# Altium PCB SI944D.PcbDoc (part 2 of 5)
Units mm, origin at the board's own origin, x right, y up, seen from the top; angles counter-clockwise.
Board outline 281.94 x 89 mm, 4 copper layers (Top, MidLayer1, MidLayer2, Bottom), stack 1.65 mm thick; 571 components, 351 nets, 1529 pads, 905 vias.
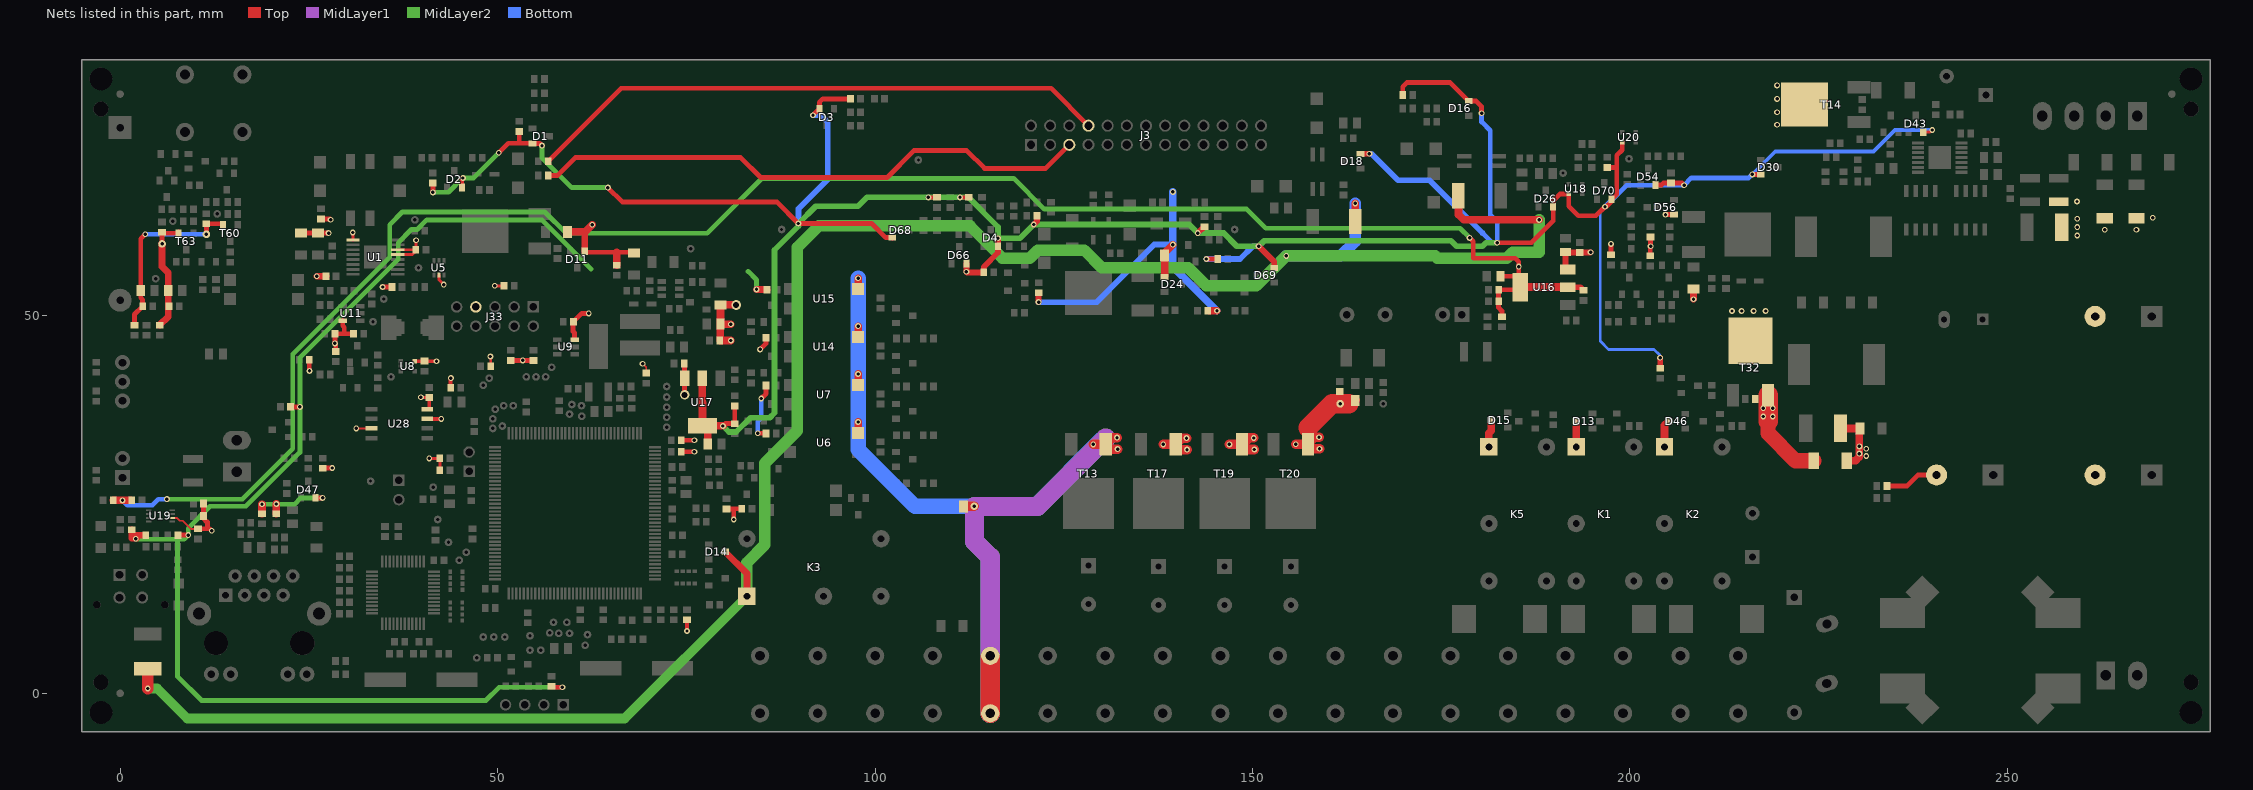
[diagram p4: the nets of this part, all layers, seen from the top]

## Components (designator, comment, footprint, x,y, rotation, side; value= is the part's Value field where it differs from the comment) (continued)
R207 "RES_0603_1%_100PPM_68K" 0603_ReflowSoldering_RES 204.851,51.435 r180 top
R208 "RES_0603_1%_100PPM_68K" 0603_ReflowSoldering_RES 197.802,51.435 r0 top
RR1 "RES_4XR0603_IND_5%_22R*" ARV241 74.93,15.367 r0 top
RR2 "RES_4XR0603_IND_5%_22R*" ARV241 44.539,14.916 r90 top
RR3 "RES_4XR0603_IND_5%_22R*" ARV241 44.526,10.846 r90 top
SI1 "SI944D" CIRCUIT_IMPRIME_SI_STD 63.246,-3.81 r0 top
T1 "NJD1718T4G" DPAK_Specifique_1 48.363,61.196 r0 top
T2 "BC847C" SOT23_3L_ReflowSoldering 147.828,54.102 r0 top
T3 "BC847C" SOT23_3L_ReflowSoldering 103.886,30.988 r180 top
T4 "NJD1718T4G" DPAK_Specifique_1 128.27,53.015 r0 top
T5 "BC847C" SOT23_3L_ReflowSoldering 143.764,54.102 r0 top
T6 "BC847C" SOT23_3L_ReflowSoldering 118.713,56.674 r180 top
T7 "BC847C" SOT23_3L_ReflowSoldering 103.886,37.338 r180 top
T8 "BC847C" SOT23_3L_ReflowSoldering 103.886,43.688 r180 top
T9 "BC847C" SOT23_3L_ReflowSoldering 103.886,50.038 r180 top
T10 "BC847C" SOT23_3L_ReflowSoldering 118.713,53.34 r0 top
T11 "BC847C" SOT23_3L_ReflowSoldering 31.432,44.926 r270 top
T12 "BC847C" SOT23_3L_ReflowSoldering 86.233,30.861 r270 top
T13 "T405-600B" DPAK 128.27,25.146 r90 top (schematic designator D21)
T14 "NTD2955G" DPAK_Specifique_1 223.134,77.978 r0 top
T15 "BC847C" SOT23_3L_ReflowSoldering 86.233,37.211 r270 top
T16 "BC847C" SOT23_3L_ReflowSoldering 86.233,43.561 r270 top
T17 "T405-600B" DPAK 137.541,25.146 r90 top (schematic designator D22)
T18 "BC847C" SOT23_3L_ReflowSoldering 86.233,50.292 r270 top
T19 "T405-600B" DPAK 146.304,25.146 r90 top (schematic designator D23)
T20 "T405-600B" DPAK 155.067,25.146 r90 top (schematic designator D25)
T23 "BC847C" SOT23_3L_ReflowSoldering 186.364,36.068 r0 top
T25 "BC847C" SOT23_3L_ReflowSoldering 30.48,41.593 r270 top
T26 "BC847C" SOT23_3L_ReflowSoldering 21.273,34.925 r0 top
T27 "NTMS4801N" SOIC_08_E1,27_L150_ReflowSoldering 245.11,63.984 r180 top
T28 "BC847C" SOT23_3L_ReflowSoldering 79.057,15.24 r180 top
T29 "NTMS4801N" SOIC_08_E1,27_L150_ReflowSoldering 238.506,63.984 r180 top
T32 "NTD2955G" DPAK_Specifique_1 215.957,46.697 r270 top
T33 "BC847C" SOT23_3L_ReflowSoldering 207.899,40.767 r180 top
T34 "BC847C" SOT23_3L_ReflowSoldering 210.82,36.036 r0 top
T35 "NJD1718T4G" DPAK_Specifique_1 215.607,60.776 r180 top
T37 "MMBT5551LT1G" SOT23_3L_ReflowSoldering 200.152,57.785 r270 top
T44 "BC847C" SOT23_3L_ReflowSoldering 197.136,36.068 r0 top
T50 "MMBT5551LT1G" SOT23_3L_ReflowSoldering 205.232,57.785 r270 top
T58 "MMBT5551LT1G" SOT23_3L_ReflowSoldering 199.898,53.975 r270 top
T59 "MMBT5551LT1G" SOT23_3L_ReflowSoldering 205.105,53.975 r270 top
T60 "BC857C" SOT23_3L_ReflowSoldering 14.605,60.96 r90 top
T61 "BC847C" SOT23_3L_ReflowSoldering 14.129,67.786 r90 top
T62 "BC857C" SOT23_3L_ReflowSoldering 6.191,66.834 r90 top
T63 "BC847C" SOT23_3L_ReflowSoldering 8.731,59.849 r90 top
T64 "BC847C" SOT23_3L_ReflowSoldering 83.026,27.464 r90 top
T65 "BC847C" SOT23_3L_ReflowSoldering 52.916,3.851 r180 top
T66 "BC847C" SOT23_3L_ReflowSoldering 234.569,75.438 r270 top
U1 "DRV8801PWP" HTSSOP_016_E0,65_L4,4MM_PWP 33.814,57.785 r90 top
U2 "LMR12010YMK" SOT23_6L 72.898,53.594 r0 top
U3 "OPTO_FOD817BS" OPTO_FOD817BS_ReflowSoldering 90.329,25.559 r90 top
U4 "DCDC_+12V_1W_R12P12S" DCDC_SIP_1W_19.5x9.8_h12.5_R12P12S 177.736,50.165 r180 top
U5 "74LVC1G57DCKR" SC70_6 42.227,56.356 r270 top
U6 "OPTO_FOD817BS" OPTO_FOD817BS_ReflowSoldering 93.254,33.212 r270 top
U7 "OPTO_FOD817BS" OPTO_FOD817BS_ReflowSoldering 93.254,39.562 r270 top
U8 "74HC1G125GW" SOT353 38.1,43.339 r180 top
U9 "25AA02E48T-I/OT" SOT23_6L 59.055,45.879 r180 top
U10 "MCF52259CAG80" QFP_144_E0,50_20X20MM 60.232,23.843 r270 top locked
U11 "MCP6L91T-E/OT" SOT23_5L 30.639,50.324 r0 top
U12 "LM3150" eTSSOP_014_E0,65_L4,4MM 241.046,70.969 r90 top
U13 "DP83640TVV" QFP_048_E0,50_7X7MM 37.465,13.335 r270 top
U14 "OPTO_FOD817BS" OPTO_FOD817BS_ReflowSoldering 93.254,45.912 r270 top
U15 "OPTO_FOD817BS" OPTO_FOD817BS_ReflowSoldering 93.254,52.262 r270 top
U16 "LD1117STR-E" SOT223 188.62,53.785 r0 top
U17 "LD1117STR-E" SOT223 77.128,38.569 r90 top
U18 "74LVC1G17GW" SOT353 192.786,66.802 r0 top
U19 "PCA9306DCUT" VSSOP_008_E0,5_L3,1MM 5.334,23.495 r90 top
U20 "74LVC1G17GW" SOT353 199.866,73.66 r0 top
U22 "DCDC_+12V_-12V_1W_R12P12D" DCDC_SIP_1W_19.5x9.8_h12.5 0.318,28.575 r90 top
U25 "OPTO_FOD817BS" OPTO_FOD817BS_ReflowSoldering 19.05,53.499 r270 top
U28 "SST25VF016B-50-4I-S2AF" SOIC_08_E1.27_L200_REFLOWSOLDERING 36.989,35.719 r270 top
VR1 "VDR_V300LA10P" VDR_SERIE_LA_D10_H16_E7.5MM 226.092,5.239 r108 top

## Footprints (in the part's own frame and the unit in brackets; to place one, negate y for a bottom-side part, rotate by r counter-clockwise, add the part's x,y. Pads: shape width x height; smd on the part's side, far side on the other; paste and mask are expansions set on the pad)
0603_ReflowSoldering_CAP [mil]
  rect 35x40 smd paste-5: 1(-26.4,0) 2(26.4,0)
  silkscreen extent -55,-30 55,30, body extent -31,-16 32,16, height 35
0603_ReflowSoldering_RES [mil]
  rect 35x40 smd paste-5: 1(-26.4,0) 2(26.4,0)
  silkscreen extent -55,-30 55,30, body extent -31,-16 31,16, height 22
0805_ReflowSoldering_CAP [mil]
  rect 43x57 smd paste-3: 1(-36,0) 2(36,0)
  silkscreen extent -67,-39 67,39, body extent -39,-25 39,25, height 39
0805_ReflowSoldering_RES [mil]
  rect 43x57 smd paste-3: 1(-36,0) 2(36,0)
  silkscreen extent -67,-39 67,39, body extent -39,-24 39,24, height 28
1206_ReflowSoldering_CAP [mil]
  rect 47x63 smd paste-3: 1(-57.09,0) 2(57.09,0)
  silkscreen extent -92,-42 92,42, body extent -63,-31 63,32, height 39
1206_ReflowSoldering_FERRITE [mil]
  rect 47x63 smd paste-3: 1(-57.09,0) 2(57.09,0)
  silkscreen extent -93,-43 93,43, body extent -63,-31 63,31, height 39
1206_ReflowSoldering_RES [mil]
  rect 47x63 smd paste-3: 1(-57.09,0) 2(57.09,0)
  silkscreen extent -92,-43 92,43, body extent -63,-31 63,32, height 33
1210_ReflowSoldering_CAP [mil]
  rect 43x104 smd paste-3: 1(-61.02,0) 2(61.02,0)
  silkscreen extent -95,-65 95,65, body extent -63,-49 63,49, height 51
1812_ReflowSoldering_SELF [mil]
  rect 70x143 smd paste-3: 1(-90.55,0) 2(90.55,0)
  silkscreen extent -140,-85 140,85, body extent -89,-63 89,63, height 91
2512_ReflowSoldering_RES [mil]
  rect 65x132 smd paste-3: 1(-111.1,0) 2(111.1,0)
  silkscreen extent -160,-80 160,80, body extent -126,-63 126,63, height 28
ARV241 [mm]
  rect 0.559x0.508 smd paste-0.051 mask+0.127: 1(-1.2,-0.8) 2(-1.2,0.8) 3(-0.4,-0.8) 4(-0.4,0.8) 5(0.4,-0.8) 6(0.4,0.8) 7(1.2,-0.8) 8(1.2,0.8)
  silkscreen extent -1.9,-0.38 1.7,0.28, body extent -1.6,-0.8 1.6,0.8, height 0.54
BAR_M_1X02D_L6_IS2.6_E2.54_G [mil]
  rect 60x60 hole 39.37: 1(0,0)
  round 60 hole 39.37: 2(0,-100)
  silkscreen extent -50,-150 50,50, body extent -55,-155 55,55, height 339
BAR_M_1X04D_L6_IS2.6_E2.54_G [mil]
  rect 60x60 hole 39.37: 1(0,0)
  round 60 hole 39.37: 2(0,-100) 3(0,-200) 4(0,-300)
  silkscreen extent -105,-390 50,50, body extent -50,-350 50,50, height 339
BAR_M_2X05D_L6_IS2.6_E2.54_G [mil]
  rect 60x60 hole 39.37: 1(0,0)
  round 60 hole 39.37: 2(100,0) 3(0,-100) 4(100,-100) 5(0,-200) 6(100,-200) 7(0,-300) 8(100,-300) 9(0,-400) 10(100,-400)
  silkscreen extent -85,-450 225,50, body extent -50,-450 150,50, height 339
BRESS_FFKDSA1/V2-7,62_P1.3 [mm]
  round 2.413 hole 1.3: 1(3.5,1.43) 2(3.5,9.05)
  silkscreen extent 0,0 7.62,10, body extent 0,0 7.62,10, height 15.82
BRESS_FFKDSA/V2-7,62_P1.3 [mm]
  round 2.413 hole 1.3: 1(3.5,1.43) 2(3.5,9.05)
  silkscreen extent 0,0 9.42,10, body extent 0,0 9.42,10, height 15.8
CAP_ELE_10X31.5_E5.08MM [mil]
  rect 60x60 hole 31.5: 1(-100,0)
  oval 60x90 hole 31.5: 2(100,0)
  silkscreen extent -197,-197 196,197, body extent -196,-197 197,197, height 1241
CAP_ELE_18X40_E7.5MM [mm]
  rect 2.794x2.794 hole 1.1: 1(-3.75,0)
  round 2.794 hole 1.1: 2(3.75,0)
  silkscreen extent -9.01,-9 8.99,9, body extent -8.97,-9 8.96,9, height 41.01
CAP_S_5X17.5_E15MM [mil]
  rect 80x80 hole 39.37: 1(-300,0)
  round 80 hole 39.37: 2(300,0)
  silkscreen extent -350,-106 350,110, body extent -350,-105 350,110, height 472
CIRCUIT_IMPRIME_SI_STD [mm]
DCDC_SIP_1W_19.5x9.8_h12.5 [mm]
  rect 2x2 hole 1: 1(0,0)
  round 2 hole 1: 2(2.54,0) 5(10.16,0) 6(12.7,0) 7(15.24,0)
  silkscreen extent -1.9,-7.4 17.6,2.4, body extent -1.9,-7.4 17.6,2.4, height 12.5
DCDC_SIP_1W_19.5x9.8_h12.5_R12P12S [mm]
  rect 2x2 hole 1: 1(0,0)
  round 2 hole 1: 2(2.54,0) 5(10.16,0) 7(15.24,0)
  silkscreen extent -1.9,-7.4 17.6,2.4, body extent -1.9,-7.4 17.6,2.4, height 12.5
DO214AA-SMB-NP_ReflowSoldering [mil]
  rect 61x90 smd paste-3: 1(85,0) 2(-85,0)
  silkscreen extent -90,-80 90,80, body extent -104,-71 104,71, height 94
DO214AA-SMB-P_ReflowSoldering [mil]
  rect 61x90 smd paste-3: A(85,0) K(-85,0)
  silkscreen extent -90,-80 90,80, body extent -105,-71 107,71, height 91
DO214AB-SMC-P_ReflowSoldering [mil]
  rect 80x130 smd paste-3: A(124,0) K(-124,0)
  silkscreen extent -140,-125 140,125, body extent -157,-116 156,116, height 91
DO214AC-SMA-P_ReflowSoldering [mil]
  rect 65x65 smd paste-3: A(75,0) K(-75,0)
  silkscreen extent -125,-63 125,63, body extent -102,-51 102,51, height 91
DO219AB-SMF-P_ReflowSoldering [mm]
  rect 1.3x1.4 smd paste-0.076: A(1.45,0) K(-1.45,0)
  silkscreen extent -1.45,-0.95 1.45,0.95, body extent -1.45,-0.95 1.45,0.95, height 0.99
DPAK [mm] "Triacs 4.0 Amp 600 Volt"
  rect 3x1.6 smd paste-0.076: A1(7.85,-2.286) G(7.85,2.286)
  rect 6.7x6.7 smd paste-25.4: A2(0,0)
  silkscreen extent -3.81,-3.81 5.33,3.81, body extent -1.75,-3.37 8.35,3.37, height 2.41
DPAK_Specifique_1 [mm] "2.6 isolation"
  rect 3x1.6 smd paste-0.076: 1(7.2,-2.3) 3(7.2,2.3)
  rect 6.198x5.8 smd paste-25.4: 2(0,0)
  silkscreen extent -3.81,-3.81 5.33,3.81, body extent -2.17,-3.3 7.77,3.24, height 2.34
eTSSOP_014_E0,65_L4,4MM [mm]
  rect 0.406x1.575 smd mask+0.127: 1(-1.95,-2.875) 2(-1.3,-2.875) 3(-0.65,-2.875) 4(0,-2.875) 5(0.65,-2.875) 6(1.3,-2.875) 7(1.95,-2.875) 8(1.95,2.875) 9(1.3,2.875) 10(0.65,2.875) 11(0,2.875) 12(-0.65,2.875) 13(-1.3,2.875) 14(-1.95,2.875)
  rect 3.1x3 smd: EP(0,0)
  silkscreen extent -2.41,-1.65 2.41,1.65, body extent -2.55,-3.2 2.55,3.2, height 1.12
FUS_POLY_11.4X3.8_H19_E5.8 [mm]
  rect 1.905x1.905 hole 0.9: 1(-2.9,0)
  round 1.905 hole 0.9: 2(2.9,0)
  silkscreen extent -6.19,-1.56 6.21,1.46, body extent -5.7,-19.04 5.7,0.9, height 5.17
FUS_POLY_14.4X3_H24.8_E5.08 [mm]
  rect 1.905x1.905 hole 0.9: 1(1.2,1.3)
  round 1.905 hole 0.9: 2(6.4,-1.2)
  silkscreen extent -3.39,-1.51 11.01,1.51, body extent -3.39,-3.76 11.01,18.76, height 11.7
FUSIBLE_UMT250 [mm]
  rect 3.2x3.75 smd: 1(-4.7,0) 2(4.7,0)
  silkscreen extent -6.8,-2.25 6.8,2.25, body extent -5.45,-1.5 5.45,1.5, height 3
HTSSOP_016_E0,65_L4,4MM_PWP [mm]
  rect 0.381x1.778 smd mask+0.152: 1(-2.275,-2.97) 2(-1.625,-2.97) 3(-0.975,-2.97) 4(-0.325,-2.97) 5(0.325,-2.97) 6(0.975,-2.97) 7(1.625,-2.97) 8(2.275,-2.97) 9(2.275,2.97) 10(1.625,2.97) 11(0.975,2.97) 12(0.325,2.97) 13(-0.325,2.97) 14(-0.975,2.97) 15(-1.625,2.97) 16(-2.275,2.97)
  rect 3x3 smd: PAD(0,0)
  silkscreen extent -2.54,-1.78 2.54,1.78, body extent -2.5,-3.2 2.5,3.2, height 1
IDC2P54_26P [mm] "Connector; Header; 13x2 Position"
  rect 1.6x1.6 hole 1.1 mask+0.05: 1(-15.24,-1.27)
  round 1.6 hole 1.1 mask+0.05: 2(-15.24,1.27) 3(-12.7,-1.27) 4(-12.7,1.27) 5(-10.16,-1.27) 6(-10.16,1.27) 7(-7.62,-1.27) 8(-7.62,1.27) 9(-5.08,-1.27) 10(-5.08,1.27) 11(-2.54,-1.27) 12(-2.54,1.27) 13(0,-1.27) 14(0,1.27) 15(2.54,-1.27) 16(2.54,1.27) 17(5.08,-1.27) 18(5.08,1.27) 19(7.62,-1.27) 20(7.62,1.27) 21(10.16,-1.27) 22(10.16,1.27) 23(12.7,-1.27) 24(12.7,1.27) 25(15.24,-1.27) 26(15.24,1.27)
  silkscreen extent -20.32,-5.33 20.32,4.6, body extent -20.34,-4.55 20.34,4.55, height 8.86
LED_0805_KPx_Green [mil]
  rect 43x57 smd paste-3: A(36,0) K(-36,0)
  silkscreen extent -69,-39 67,39, body extent -40,-25 40,25, height 43
LED_0805_KPx_YELLOW [mil]
  rect 43x57 smd paste-3: A(36,0) K(-36,0)
  silkscreen extent -69,-39 67,39, body extent -40,-25 40,25, height 45
MF-RX012-250-0 [mm] "Resettable Fuses - PPTC 0.12A 60V 4ohm Hold .12 Trip .16"
  rect 2x2 hole 0.8 mask+0.064: 1(-2.55,0)
  round 2 hole 0.8 mask+0.064: 2(2.55,0)
  silkscreen extent -3.25,-2.3 3.25,2.3, body extent -3.25,-2.3 3.25,2.3, height 11.2
MICRO-MATE-N-LOK_WURTH+TYCO_2X02_D [mm]
  rect 1.6x1.6 hole 1: 1(1.5,-1.5)
  round 1.6 hole 1: 2(-1.5,-1.5) 3(1.5,1.5) 4(-1.5,1.5)
  round 1 hole 1 unplated: FIX1(-4.5,2.44) FIX2(4.5,2.44)
  silkscreen extent -5,-3.94 5,4.73, body extent -5,-3.94 5,4.73, height 9.3
MIRE_PICK-N-PLACE_D1MM_VE3MM [mm]
  round 1 smd paste-25.4 mask+1: 1(0,0)
NULL [mm]
OPTO_FOD817BS_ReflowSoldering [mil]
  rect 63x63 smd paste-4: 1(-50,-177.17) 2(50,-177.17) 3(50,177.17) 4(-50,177.17)
  silkscreen extent -100,-125 100,125, body extent -100,-181 100,181, height 185
PAD_CL5_E40X40Y17D#1 [mil]
  round 40 hole 17.72: 1(0,0)
PAD_CL5_E40X40Y17D#2 [mil]
  round 40 hole 15.75: 1(0,0)
QFP_048_E0,50_7X7MM [mil]
  rect 63x12 smd paste-2 mask+4: 1(-162.25,108.27)
  rect 63x12 smd paste-2 mask+5: 2(-162.25,88.58) 3(-162.25,68.9) 4(-162.25,49.21) 5(-162.25,29.53) 6(-162.25,9.84) 7(-162.25,-9.84) 8(-162.25,-29.53) 9(-162.25,-49.21) 10(-162.25,-68.9) 11(-162.25,-88.58) 12(-162.25,-108.27) 25(162.25,-108.27) 26(162.25,-88.58) 27(162.25,-68.9) 28(162.25,-49.21) 29(162.25,-29.53) 30(162.25,-9.84) 31(162.25,9.84) 32(162.25,29.53) 33(162.25,49.21) 34(162.25,68.9) 35(162.25,88.58) 36(162.25,108.27)
  rect 12x63 smd paste-2 mask+5: 13(-108.27,-162.25) 14(-88.58,-162.25) 15(-68.9,-162.25) 16(-49.21,-162.25) 17(-29.53,-162.25) 18(-9.84,-162.25) 19(9.84,-162.25) 20(29.53,-162.25) 21(49.21,-162.25) 22(68.9,-162.25) 23(88.58,-162.25) 24(108.27,-162.25) 37(108.27,162.25) 38(88.58,162.25) 39(68.9,162.25) 40(49.21,162.25) 41(29.53,162.25) 42(9.84,162.25) 43(-9.84,162.25) 44(-29.53,162.25) 45(-49.21,162.25) 46(-68.9,162.25) 47(-88.58,162.25) 48(-108.27,162.25)
  silkscreen extent -228,-105 105,115, body extent -177,-177 177,177, height 58
QFP_144_E0,50_20X20MM [mm]
  rect 1.6x0.305 smd paste-0.051 mask+0.127: 1(-10.6,8.75) 2(-10.6,8.25) 3(-10.6,7.75) 4(-10.6,7.25) 5(-10.6,6.75) 6(-10.6,6.25) 7(-10.6,5.75) 8(-10.6,5.25) 9(-10.6,4.75) 10(-10.6,4.25) 11(-10.6,3.75) 12(-10.6,3.25) 13(-10.6,2.75) 14(-10.6,2.25) 15(-10.6,1.75) 16(-10.6,1.25) 17(-10.6,0.75) 18(-10.6,0.25) 19(-10.6,-0.25) 20(-10.6,-0.75) 21(-10.6,-1.25) 22(-10.6,-1.75) 23(-10.6,-2.25) 24(-10.6,-2.75) 25(-10.6,-3.25) 26(-10.6,-3.75) 27(-10.6,-4.25) 28(-10.6,-4.75) 29(-10.6,-5.25) 30(-10.6,-5.75) 31(-10.6,-6.25) 32(-10.6,-6.75) 33(-10.6,-7.25) 34(-10.6,-7.75) 35(-10.6,-8.25) 36(-10.6,-8.75) 73(10.6,-8.75) 74(10.6,-8.25) 75(10.6,-7.75) 76(10.6,-7.25) 77(10.6,-6.75) 78(10.6,-6.25) 79(10.6,-5.75) 80(10.6,-5.25) 81(10.6,-4.75) 82(10.6,-4.25) 83(10.6,-3.75) 84(10.6,-3.25) 85(10.6,-2.75) 86(10.6,-2.25) 87(10.6,-1.75) 88(10.6,-1.25) 89(10.6,-0.75) 90(10.6,-0.25) 91(10.6,0.25) 92(10.6,0.75) 93(10.6,1.25) 94(10.6,1.75) 95(10.6,2.25) 96(10.6,2.75) 97(10.6,3.25) 98(10.6,3.75) 99(10.6,4.25) 100(10.6,4.75) 101(10.6,5.25) 102(10.6,5.75) 103(10.6,6.25) 104(10.6,6.75) 105(10.6,7.25) 106(10.6,7.75) 107(10.6,8.25) 108(10.6,8.75)
  rect 0.305x1.6 smd paste-0.051 mask+0.127: 37(-8.75,-10.6) 38(-8.25,-10.6) 39(-7.75,-10.6) 40(-7.25,-10.6) 41(-6.75,-10.6) 42(-6.25,-10.6) 43(-5.75,-10.6) 44(-5.25,-10.6) 45(-4.75,-10.6) 46(-4.25,-10.6) 47(-3.75,-10.6) 48(-3.25,-10.6) 49(-2.75,-10.6) 50(-2.25,-10.6) 51(-1.75,-10.6) 52(-1.25,-10.6) 53(-0.75,-10.6) 54(-0.25,-10.6) 55(0.25,-10.6) 56(0.75,-10.6) 57(1.25,-10.6) 58(1.75,-10.6) 59(2.25,-10.6) 60(2.75,-10.6) 61(3.25,-10.6) 62(3.75,-10.6) 63(4.25,-10.6) 64(4.75,-10.6) 65(5.25,-10.6) 66(5.75,-10.6) 67(6.25,-10.6) 68(6.75,-10.6) 69(7.25,-10.6) 70(7.75,-10.6) 71(8.25,-10.6) 72(8.75,-10.6) 109(8.75,10.6) 110(8.25,10.6) 111(7.75,10.6) 112(7.25,10.6) 113(6.75,10.6) 114(6.25,10.6) 115(5.75,10.6) 116(5.25,10.6) 117(4.75,10.6) 118(4.25,10.6) 119(3.75,10.6) 120(3.25,10.6) 121(2.75,10.6) 122(2.25,10.6) 123(1.75,10.6) 124(1.25,10.6) 125(0.75,10.6) 126(0.25,10.6) 127(-0.25,10.6) 128(-0.75,10.6) 129(-1.25,10.6) 130(-1.75,10.6) 131(-2.25,10.6) 132(-2.75,10.6) 133(-3.25,10.6) 134(-3.75,10.6) 135(-4.25,10.6) 136(-4.75,10.6) 137(-5.25,10.6) 138(-5.75,10.6) 139(-6.25,10.6) 140(-6.75,10.6) 141(-7.25,10.6) 142(-7.75,10.6) 143(-8.25,10.6) 144(-8.75,10.6)
  silkscreen extent -12.2,-8.89 8.89,8.97, body extent -11,-11 11,11, height 1.6
QUARTZ_2X6MM_CYL_CMS [mm]
  rect 2.5x1 smd paste-0.051: 1(3,-1.27) 2(3,1.27)
  rect 6x2.5 smd paste-0.051: 3(-3,0)
  silkscreen extent -6.35,-1.65 1.19,1.65, body extent -5.59,-1.4 3.91,1.39, height 2.2
QUARTZ_HC49_11.5X5_CMS [mil] "HC49/4H SMX"
  rect 216x77 smd paste-3: 1(-187.01,0) 2(187.01,0)
  silkscreen extent -230,-100 230,100, body extent -264,-96 264,96, height 200
RELAY_FINDER_32.21 [mm]
  round 2.3 hole 0.9: 11(-3.81,0) 12(3.81,-7.62) 14(-3.81,-7.62) A2(3.81,10.16)
  rect 2.3x2.3 hole 0.9: A1(-3.81,10.16)
  silkscreen extent -5.5,-9.2 5.5,11.8, body extent -5.5,-9.2 5.5,11.8, height 10.7
RES_MOS3 [mil]
  rect 120x120 hole 39.37: 1(-450,0)
  round 120 hole 39.37: 2(450,0)
  silkscreen extent -500,-138 500,138, body extent -475,-128 456,128, height 256
RJ45_8_B_D_TR_74990101210 [mm]
  rect 1.8x1.8 hole 0.9: 1(-4.45,6.35)
  round 1.8 hole 0.9: 2(-3.18,8.89) 3(-1.91,6.35) 4(-0.64,8.89) 5(0.63,6.35) 6(1.9,8.89) 7(3.17,6.35) 8(4.44,8.89)
  round 2 hole 1: 9(-6.325,-4.11) 10(-3.785,-4.11) 11(3.785,-4.11) 12(6.325,-4.11)
  round 3.2 hole 1.6: FIX1(7.95,3.9) FIX2(-7.95,3.9)
  round 3.2 hole 3.2 unplated: FIX3(5.715,0) FIX4(-5.715,0)
  silkscreen extent -8.4,-6.73 8.4,10.77, body extent -8.6,-6.73 8.6,10.77, height 17.5
SC70_6 [mil]
  rect 28x16 smd paste-3 mask+5: 1(-37.4,25.59) 2(-37.4,0) 3(-37.4,-25.59) 4(37.4,-25.59) 5(37.4,0) 6(37.4,25.59)
  silkscreen extent -29,-39 10,48, body extent -43,-39 39,39, height 36
SELF_PM3700_17.78X11.43H11.43 [mm]
  rect 3.18x3.18 smd paste-0.051: 1(0,-10.795) 2(10.795,0) 4(-10.795,0)
  rect 3.18x3.18 smd paste-0.051 mask+0.102: 3(0,10.795)
  silkscreen extent -13.21,-12.95 9,9, body extent -10.8,-10.8 10.8,10.8, height 11.44
SELF_WE-LF_SH_18.5X23.3H11.5MM [mm]
  rect 6x4 smd paste-0.076: 1(-10.3,-5) 2(10.3,-5) 3(10.3,5) 4(-10.3,5)
  silkscreen extent -11.94,-9.25 11.65,9.25, body extent -12.27,-9 12.27,9, height 11.07
SELF_WE-SL2_9.2x6 [mm]
  rect 2x1.2 smd paste-0.076: 1(-3.75,1.27) 2(-3.75,-1.27) 3(3.75,-1.27) 4(3.75,1.27)
  silkscreen extent -6.26,-3.3 5,3.3, body extent -4.6,-3 4.6,3, height 5
SELF_WE-SLM_6x3.3H3.3mm [mm]
  rect 1.9x0.6 smd paste-0.076: 1(-2.286,0.635) 2(-2.286,-0.635) 3(2.286,-0.635) 4(2.286,0.635)
  silkscreen extent -5.08,-1.91 3.81,1.91, body extent -3,-1.65 3,1.65, height 3.27
SELF_WE-TPC_4.8x4.78_(type4828) [mm]
  rect 2x5.3 smd paste-0.102: 1(-1.75,0) 2(1.75,0)
  silkscreen extent -3.05,-2.92 3.05,2.92, body extent -2.4,-2.4 2.4,2.4, height 2.79
SELF_WEPD_12X12_h10_XXL [mm]
  rect 2.9x5.4 smd paste-0.102: 1(-4.95,0) 2(4.95,0)
  silkscreen extent -6,-6 6,6, body extent -6,-6 6,6, height 10.39
SOD128_ReflowSoldering [mil]
  rect 55.12x85 smd: A(-86.5,0) K(86.5,0)
  silkscreen extent -83,-70 83,70, body extent -104,-71 104,71, height 44
SOD323_ReflowSoldering [mm]
  rect 1.27x0.61 smd paste-0.076: A(1.175,0) K(-1.175,0)
  silkscreen extent -1.14,-0.76 1.14,0.76, body extent -1.3,-0.67 1.3,0.68, height 1.1
SOIC_08_E1,27_L150_ReflowSoldering [mil]
  rect 24x63 smd paste-3: 1(-75,-100) 2(-25,-100) 3(25,-100) 4(75,-100) 5(75,100) 6(25,100) 7(-25,100) 8(-75,100)
  silkscreen extent -105,-50 105,50, body extent -98,-122 98,122, height 69
SOIC_08_E1.27_L200_REFLOWSOLDERING [mm] "SOIC, 8-Leads, Body 5.28x5.28mm, Pitch 1.27mm, IPC Medium Density"
  rect 0.6x1.55 smd paste-0.051 mask+0.102: 1(-1.905,-3.7) 2(-0.635,-3.7) 3(0.635,-3.7) 4(1.905,-3.7) 5(1.905,3.7) 6(0.635,3.7) 7(-0.635,3.7) 8(-1.905,3.7)
  silkscreen extent -2.88,-3.82 2.7,2.52, body extent -2.7,-4.1 2.7,4.1, height 2.17
SOT23_3L_ReflowSoldering [mil]
  rect 40x32 smd paste-3: 1(43.31,-38.39) 2(43.31,38.39)
  rect 40x34 smd paste-3: 3(-43.31,0)
  silkscreen extent -10,-60 10,60, body extent -55,-57 55,57, height 41
SOT23_5L [mil]
  rect 44x24 smd paste-3: 1(45.28,-37.4) 2(45.28,0) 3(45.28,37.4) 4(-45.28,37.4) 5(-45.28,-37.4)
  silkscreen extent -13,-60 14,60, body extent -59,-59 59,59, height 51
SOT23_6L [mil]
  rect 44x24 smd paste-3: 1(45.28,-37.4) 2(45.3,0) 3(45.28,37.4) 4(-45.28,37.4) 5(-45.28,0) 6(-45.28,-37.4)
  silkscreen extent -13,-60 14,60, body extent -59,-59 59,59, height 51
SOT223 [mil]
  rect 80x50 smd paste-3: 1(124,-92.52) 2(124,0) 3(124,92.52)
  rect 80x150 smd paste-3: 4(-124,0)
  silkscreen extent -62,-112 62,112, body extent -132,-128 143,128, height 65
SOT353 [mm]
  rect 0.6x0.6 smd paste-0.051: 1(0.899,-0.65) 3(0.899,0.65) 4(-0.9,0.65) 5(-0.9,-0.65)
  rect 0.6x0.4 smd paste-0.051: 2(0.899,0)
  silkscreen extent -0.34,-1.1 0.34,1.1, body extent -1.14,-1.08 1.16,1.02, height 1
VDR_SERIE_LA_D10_H16_E7.5MM [mm]
  rrect100% 2x3 hole 1.2: 1(-3.75,1.25) 2(3.75,-1.25)
  silkscreen extent -8.44,-3.4 8.44,3.4, body extent -8.19,-15.42 8.23,18.41, height 15.98
VSSOP_008_E0,5_L3,1MM [mm]
  rect 0.25x0.75 smd paste-0.025 mask+0.127: 1(-0.75,-1.55) 2(-0.25,-1.55) 3(0.25,-1.55) 4(0.75,-1.55) 5(0.75,1.55) 6(0.25,1.55) 7(-0.25,1.55) 8(-0.75,1.55)
  silkscreen extent -1.14,-0.89 1.14,0.89, body extent -1.15,-1.55 1.15,1.55, height 0.84
WR_MPC4_1X02D_OVAL_PAD [mm]
  rect 3.7x2.5 hole 1.4: 1(-0.85,2.1)
  rrect100% 3.7x2.5 hole 1.4: 2(-0.85,-2.1)
  silkscreen extent -8,-4.8 2.7,4.8, body extent -4.33,-4.8 2.57,4.8, height 12.82
WR_MPC4_1X02D_Oval_Pad [mm]
  rect 3.7x2.5 hole 1.4: 1(-0.85,2.1)
  rrect100% 3.7x2.5 hole 1.4: 2(-0.85,-2.1)
  silkscreen extent -8,-4.8 2.7,4.8, body extent -4.33,-4.8 2.57,4.8, height 12.82
WR_MPC4_1X04D_OVAL_PAD [mm]